# Altium PCB I2C_Jog_Controller.pcbdoc (part 5 of 6) (continued)
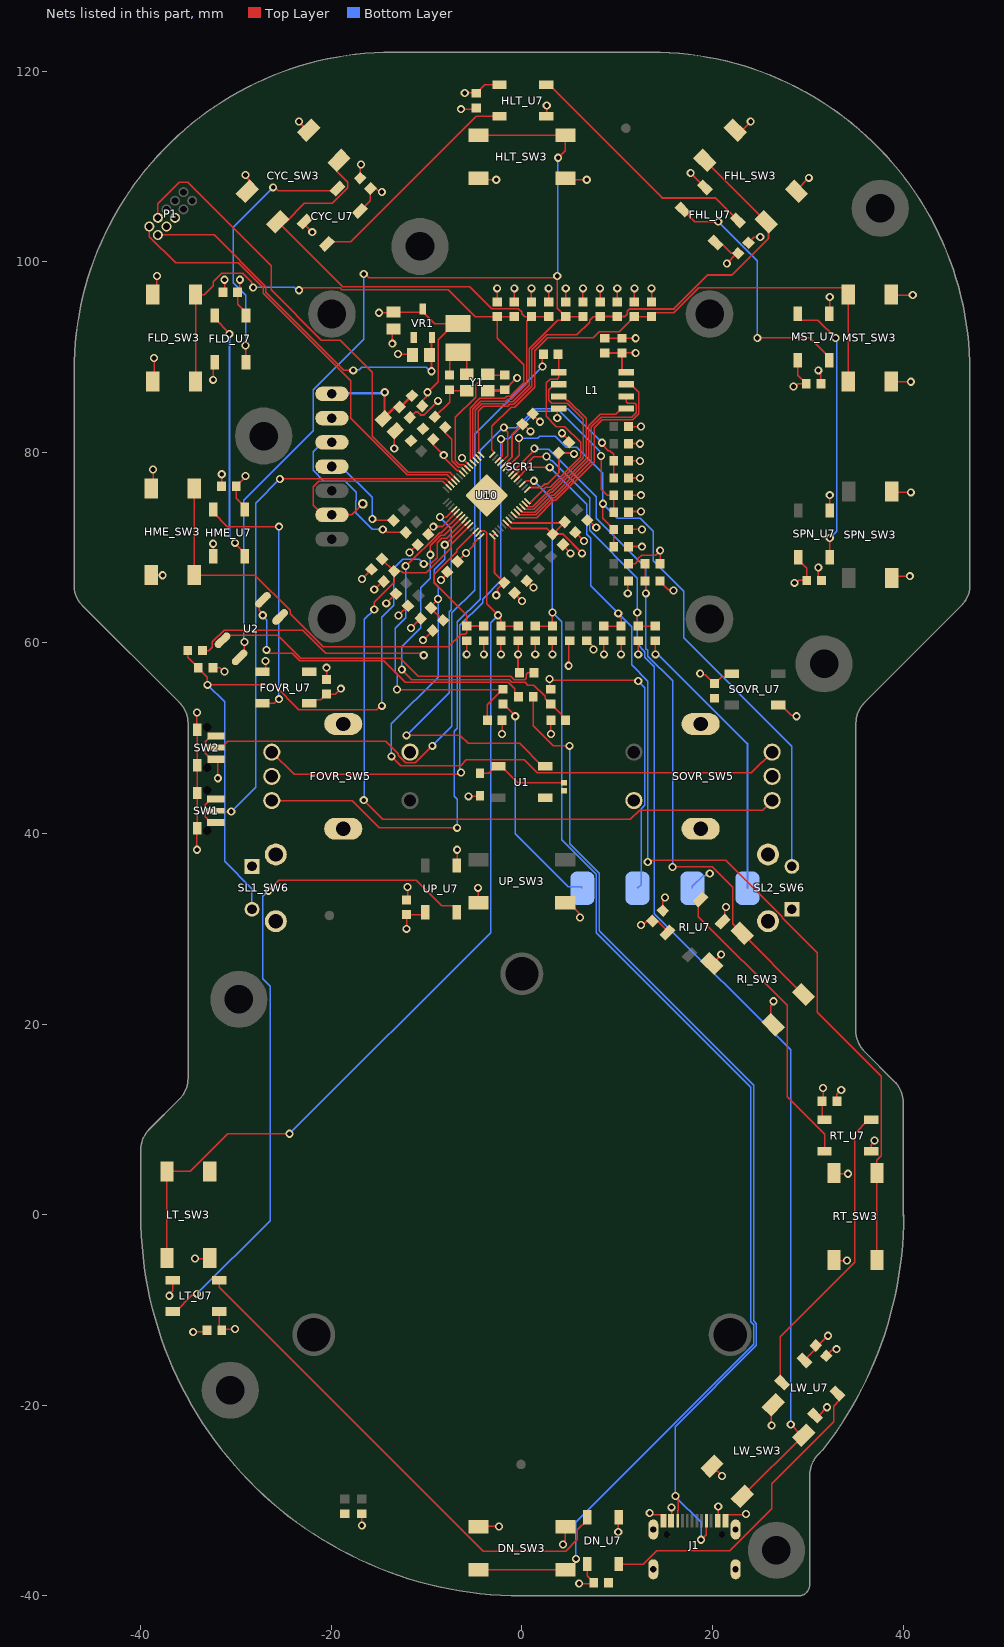
[diagram p7: the nets of this part, all layers, seen from the top]
## Nets (pads, with @x,y where several pads share a name; then routed paths per layer and width w, separated by ;. In a path a pad name is that pad's centre, name@x,y a point inside that pad or via, vN(x,y) a via of type N, cw(c..) or ccw(c..) an arc to the next point about the centre after c; other vN are vias at no path point) (continued)
  Bottom Layer w0.152: v1(-17.7,88.6) -17.65,88.65 -17.046,88.65 -16.792,88.904 -10.02,88.904 -9.616,88.5 v1(-9.5,88.5)
  Bottom Layer w0.203: v1(14,58.8) 14.124,58.676 14.409,58.676 23.659,49.427 TP3.1@23.659,34.258
  other v1: -5.862,69.438
+5V: C42.2 C43.1 CYC_C12.2 CYC_U7.1 D1.1 DN_C12.2 DN_U7.1 FHL_C12.2 FHL_U7.1 FLD_C12.2 FLD_U7.1 FOVR_C12.2 FOVR_U7.1 HLT_C12.2 HLT_U7.1 HME_C12.2 HME_U7.1 J1.A4B9 J1.B4A9 LT_C12.2 LT_U7.1 LW_C12.2 LW_U7.1 MST_C12.2 MST_U7.1 R15.1 RI_C12.2 RI_U7.1 RT_C12.2 RT_U7.1 SOVR_C12.2 SOVR_U7.1 SPN_C12.2 SPN_U7.1 UP_C12.2 UP_U7.1 VR1.3 | length 82.8
  Top Layer w0.152: LT_U7.1@-31.75,-10.151 -31.75,-11.851 LT_C12.2@-31.5,-12.101 -31.399,-12 v1(-30.1,-12) ; v1(-29.6,98.1) -29.6,97.03 FLD_C12.2@-29.83,96.8 -29.83,95.53 -28.95,94.65 FLD_U7.1@-28.95,94.35 ; HME_U7.1@-29.1,74 -29.1,74.3 -29.98,75.18 -29.98,76.475 -29,77.455 v1(-29,77.5) ; FOVR_U7.1@-22.316,53.671 -21.942,54.045 -21.11,54.045 -20.525,54.63 FOVR_C12.2@-20.5,54.63 -19.57,54.63 v2(-19,55.2) ; CYC_U7.1@-17,105.323 -15.907,106.416 -15.907,107.66 -15.872,107.695 -15.322,107.695 -15.06,107.433 -14.833,107.433 v1(-14.7,107.3) ; v1(-15,94.64) -13.57,94.64 C42.2@-13.5,94.71 -10.649,94.71 VR1.3@-10.4,94.959 ; v1(-12.1,30) -12.1,31.493 UP_C12.2@-12.107,31.5 -10.407,31.5 UP_U7.1@-10.157,31.75 ; R15.1@-10.456,84.856 -10.456,85.405 -10.033,85.827 -10.033,86.167 -8.796,87.404 -8.796,91.804 C43.1@-7.1,93.5 ; VR1.3@-10.4,95.013 VR1.3@-10.4,94.959 ; C43.1@-6.7,93.5 C43.1@-7.1,93.5 ; v1(-6,117.7) -4.83,117.7 HLT_C12.2@-4.8,117.67 -4.775,117.67 -3.895,118.55 HLT_U7.1@-2.35,118.55 ; v1(-5.6,43.9) -4.47,43.9 D1.1@-4.408,43.961 ; v1(6,-38.7) 7.43,-38.7 DN_C12.2@7.53,-38.6 7.53,-38.575 6.848,-37.893 DN_U7.1@6.848,-36.65 ; v1(12.5,30.4) 12.633,30.533 12.828,30.533 13.129,30.835 13.679,30.835 RI_C12.2@13.697,30.817 14.247,30.817 15.252,29.812 RI_U7.1@15.252,29.615 ; J1.A4B9@15.65,-32.105 15.7,-32.055 v1(15.7,-30.7) ; v1(18.7,56.8) 18.833,56.667 19.248,56.667 20.175,55.74 SOVR_C12.2@20.2,55.74 ; FHL_U7.1@20.323,102 20.852,102 21.944,100.907 22.414,100.907 22.511,100.811 v1(21.5,99.8) ; SOVR_C12.2@20.325,55.409 20.325,55.84 20.894,56.409 21.609,56.409 SOVR_U7.1@22.1,56.9 ; J1.B4A9@20.55,-32.105 20.6,-32.055 v1(20.6,-30.6) ; v1(28.5,86.9) 28.689,86.9 28.989,87.2 MST_C12.2@29.83,87.2 29.83,87.225 28.95,88.105 MST_U7.1@28.95,89.65 ; v1(28.6,66.3) 28.789,66.3 29.039,66.55 SPN_C12.2@29.88,66.55 29.88,67.82 29,68.7 SPN_U7.1@29,69 ; LW_U7.1@29.632,-15.269 30.834,-14.067 LW_C12.2@30.834,-13.714 31.086,-13.714 v1(32.1,-12.7) ; v1(31.6,13.3) 31.6,12.021 RT_C12.2@31.5,11.921 31.5,10.2 RT_U7.1@31.75,9.95 ; VR1.3@-10.4,94.959 -10.4,94.763 -9.137,93.5 C43.1@-7.1,93.5
  other v1: -9.9,86.3
A_FEEDOVER: FOVR_C8.1 FOVR_R6.2 FOVR_SW5.A U10.12 | length 80.6
  Top Layer w0.152: FOVR_SW5.A@-26.25,48.54 -23.91,46.2 -6.489,46.2 -6.4,46.289 v1(-6.4,46.4) ; U10.12@-2.537,79.171 -2.066,79.642 -2.066,81.077 -2.2,81.211 v1(-2.2,81.4) ; v1(8.3,79.6) 8.3,76.136 8.936,75.5 FOVR_C8.1@9.63,75.5 FOVR_R6.2@9.63,73.7
  Bottom Layer w0.152: v1@-6.504,46.796 -6.504,61.851 -4.12,64.236 -4.12,64.576 -2.2,66.496 v1(-2.2,81.4) -1.396,81.4 1.508,84.304 3.992,84.304 8.167,80.13 8.167,79.733 v1(8.3,79.6)
A_SPINOVER: SOVR_C8.1 SOVR_R6.2 SOVR_SW5.A U10.38 | length 82
  Top Layer w0.152: v1(-16.6,43.5) -14.596,41.496 11.382,41.496 12.346,42.46 25.25,42.46 SOVR_SW5.A@26.25,43.46 ; v1(-15.5,63.5) -15.5,64.275 -13.398,66.377 SOVR_R6.2@-13.398,67.513 ; SOVR_C8.1@-14.689,68.804 SOVR_R6.2@-13.416,67.531 SOVR_R6.2@-13.398,67.513 ; U10.38@-5.419,72.33 -7.396,70.353 -7.396,70.008 -10.038,67.366 -12.492,67.366 -12.639,67.513 SOVR_R6.2@-13.398,67.513
  Bottom Layer w0.152: v1(-16.6,43.5) -16.521,43.579 -16.521,62.479 v1(-15.5,63.5)
A_W1: R7.2 TP1.1 | length 23.6
  Top Layer w0.152: R7.2@-1.99,53.597 -1.965,53.597 -0.7,52.332 v1(-0.7,52.3)
  Bottom Layer w0.152: v1(-0.7,52.3) -0.7,39.963 4.863,34.4 6.199,34.4 TP1.1@6.341,34.258
A_WHEEL: C6.2 R7.1 U10.34 | length 36.4
  Top Layer w0.152: v1(-13.1,55.1) -2.027,55.1 R7.1@-1.99,55.137 ; v1(-12.2,68.07) -12.138,68.07 -8.645,71.563 -8.448,71.563 U10.34@-6.55,73.461 ; C6.2@-3.63,51.867 -3.63,53.522 R7.1@-2.053,55.1
  Bottom Layer w0.152: v1(-13.1,55.1) -13.1,56.704 -13.304,56.908 -13.304,61.537 -12.2,62.642 v1(-12.2,68.07)
B_FEEDOVER: FOVR_C9.2 FOVR_R9.2 FOVR_SW5.B U10.11 | length 86.1
  Top Layer w0.152: FOVR_SW5.B@-26.25,43.46 -17.827,43.46 -14.966,40.6 v1(-6.8,40.6) ; U10.11@-2.254,78.888 -1.496,79.647 -1.496,82.08 -1.9,82.484 v1(-1.9,82.6) ; v1(8.4,81) 8.4,80.852 9.07,80.181 9.219,80.181 9.63,79.77 FOVR_R9.2@9.63,77.3
  Bottom Layer w0.152: v1(-6.8,40.6) -6.8,43.588 -7.104,43.892 -7.104,50.705 -6.784,51.026 -6.784,62.212 -4.399,64.597 -4.399,80.197 -1.996,82.6 -0.591,82.6 1.393,84.584 4.816,84.584 v1(8.4,81)
B_SPINOVER: SOVR_C9.2 SOVR_R9.2 SOVR_SW5.B U10.37 | length 73.3
  Top Layer w0.152: v1(-13.7,48.1) -12.732,47.132 -6.446,47.132 -5.849,47.729 0.248,47.729 1.605,46.371 24.082,46.371 SOVR_SW5.B@26.25,48.54 ; v1(-8.8,64.6) -9.543,63.857 SOVR_C9.2@-9.543,63.658 SOVR_R9.2@-8.27,62.385 ; v1(-8.1,70.3) -8.048,70.3 -5.735,72.613 U10.37@-5.701,72.613
  Bottom Layer w0.152: v1(-13.7,48.1) -13.7,51.504 -8.8,56.404 -8.8,65.904 -9.204,66.308 -9.204,67.658 -8.1,68.762 v1(-8.1,70.3)
B_W1: R8.2 TP2.1 | length 32.8
  Top Layer w0.152: R8.2@3.01,55.138 2.9,55.248 v1(2.9,56.2) 3,56.1 12.1,56.1 v1(12.2,56)
  Bottom Layer w0.152: TP2.1@12.114,34.258 12.496,34.64 12.496,42.609 12.879,42.992 12.879,55.321 v1(12.2,56)
B_WHEEL: C7.2 R8.1 U10.35 | length 38.5
  Top Layer w0.152: v1(-12.6,57.2) -11.549,56.149 -1.328,56.149 -1.049,55.869 0.321,55.869 0.61,55.581 1.245,55.581 2.446,54.38 2.446,54.136 2.985,53.598 3.035,53.598 4.191,52.441 4.191,52.256 C7.2@4.58,51.868 ; v1(-9.613,69.253) -9.613,70.179 -8.507,71.284 -8.162,71.284 U10.35@-6.267,73.179
  Bottom Layer w0.152: v1(-12.6,57.2) -12.6,59.605 -10.604,61.601 -10.604,65.792 -9.596,66.801 -9.596,69.236 v1(-9.613,69.253)
BOOTSEL: R4.1 SW2.2 | length 70.7
  Top Layer w0.152: SW2.2@-32.1,49.025 -31.5,49.025 -30.856,49.669 -14.273,49.669 -12.996,48.392 -12.996,48.19 -12.217,47.412 -11.188,47.412 v1(-9.4,49.2) ; v1(2.154,89) 2.154,90.194 R4.1@2.26,90.3
  Bottom Layer w0.152: v1(-9.4,49.2) -7.343,51.257 -7.343,63.158 -4.958,65.542 -4.958,81.888 v1(2.154,89)
CYC/ST: CYC_C14.1 CYC_R14.2 CYC_SW3.3 CYC_SW3.4 U10.17 | length 64.5
  Top Layer w0.152: CYC_SW3.4@-19.192,110.626 -19.439,110.379 -19.439,109.497 -18.256,108.313 -18.256,107.774 -19.923,106.107 -22.829,106.107 -24.744,104.192 CYC_SW3.3@-25.626,104.192 -18.786,97.351 -5.459,97.351 -3.185,95.076 -0.368,95.076 -0.043,94.752 -0.043,94.555 0.281,94.23 CYC_C14.1@1,94.23 CYC_R14.2@2.8,94.23 ; U10.17@-4.853,79.171 -4.853,79.205 -5.163,79.515 -5.163,84.523 -4.314,85.372 -1.705,85.372 -1.49,85.587 -1.1,85.587 0.484,87.17 0.484,93.739 CYC_C14.1@0.975,94.23
CYC_LED_IN: CYC_U7.4 HLT_U7.2 | length 23.7
  Top Layer w0.152: CYC_U7.4@-20.464,101.858 -20.252,102.07 -17.964,102.07 -4.784,115.25 HLT_U7.2@-2.35,115.25
DN_LED_IN: DN_U7.4 LT_U7.2 | length 53.1
  Top Layer w0.152: LT_U7.2@-31.75,-6.851 -31.75,-7.625 -4.071,-35.304 4.592,-35.304 5.827,-34.069 5.827,-33.071 6.848,-32.05 DN_U7.4@6.848,-31.75
DOWN: DN_C14.1 DN_R14.2 DN_SW3.3 DN_SW3.4 U10.3 | length 146.1
  Top Layer w0.152: DN_SW3.3@-4.552,-37.25 4.898,-37.25 5.522,-36.626 5.522,-36.435 5.668,-36.289 v1(5.668,-36.1) ; U10.3@-0.084,76.5 0.433,77.016 v1(1.248,77.016) ; DN_C14.1@1.4,61.77 DN_R14.2@3.2,61.77 v1(3.2,63.2)
  Bottom Layer w0.152: v1(1.248,77.016) 3.2,75.064 v1(3.2,63.2) 4.196,62.204 4.196,39.361 7.82,35.736 7.82,29.58 24.021,13.379 24.021,-11.244 24.323,-11.546 24.323,-13.6 5.668,-32.254 v1(5.668,-36.1)
FEED/HOLD: FHL_C14.1 FHL_R14.2 FHL_SW3.3 FHL_SW3.4 U10.15 | length 56.2
  Top Layer w0.152: U10.15@-4.287,79.737 -4.526,79.976 -4.526,82.111 -4.604,82.19 -4.604,84.292 -4.083,84.813 -1.473,84.813 -1.258,85.028 -0.868,85.028 1.043,86.939 1.043,90.756 2.609,92.322 5.771,92.322 7.119,93.67 7.119,93.867 7.481,94.23 FHL_C14.1@8.2,94.23
  Top Layer w0.203: FHL_C14.1@8.2,94.23 FHL_R14.2@10,94.23 10.795,94.23 11.051,94.486 11.051,94.795 11.307,95.051 15.936,95.051 19.504,98.618 22.051,98.618 25.874,102.442 25.874,103.944 FHL_SW3.3@19.192,110.626
FHL_LED_IN: FHL_U7.4 MST_U7.2 | length 26.9
  Top Layer w0.152: FHL_U7.4@16.858,105.464 18.123,104.2 v1(20.6,104.2) ; v1(24.7,92) 30.2,92 32.25,89.95 MST_U7.2@32.25,89.65
  Bottom Layer w0.152: v1(20.6,104.2) 24.7,100.1 v1(24.7,92)
FLD_LED_IN: CYC_U7.2 FLD_U7.4 | length 27.7
  Top Layer w0.152: v1(-29,91.2) -29,89.5 FLD_U7.4@-28.95,89.45 ; v1(-26.1,107.8) -25.911,107.8 -25.556,107.444 -19.545,107.444 CYC_U7.2@-19.333,107.656
  Bottom Layer w0.152: v1(-29,91.2) -29,96.504 -30.304,97.808 -30.304,103.596 v1(-26.1,107.8)
FLOOD: FLD_C14.1 FLD_R14.2 FLD_SW3.3 FLD_SW3.4 U10.18 | length 66.8
  Top Layer w0.152: FLD_SW3.3@-34.25,87.45 FLD_SW3.4@-34.25,96.55 -33.321,96.55 -32.407,97.465 -32.407,97.89 -31.492,98.804 -29.308,98.804 -28.333,97.83 -28.333,97.433 v1(-28.2,97.3) ; v1(-23.4,97) -23.211,97 -22.973,97.239 -19.068,97.239 -18.901,97.072 -7.748,97.072 -4.907,94.23 FLD_C14.1@-2.6,94.23 ; U10.18@-5.136,78.888 -5.136,78.922 -5.443,79.229 -5.443,84.639 -4.43,85.651 -1.82,85.651 -1.605,85.866 -1.215,85.866 0.204,87.286 0.204,89.161 -2.6,91.966 FLD_C14.1@-2.6,94.23 ; FLD_R14.2@-0.8,94.23 FLD_C14.1@-2.6,94.23
  Bottom Layer w0.152: v1(-28.2,97.3) -23.889,97.3 -23.589,97 v1(-23.4,97)
FOVR_LED_IN: FOVR_U7.4 HME_U7.2 | length 27.8
  Top Layer w0.152: HME_U7.2@-32.4,74 -32.4,73.7 -30.9,72.2 v1(-25.5,72.2) ; FOVR_U7.4@-27.216,53.671 -25.995,53.671 -25.566,54.1 v1(-25.5,54.1)
  Bottom Layer w0.152: v1(-25.5,54.1) v1(-25.5,72.2)
FOVR_LED_OUT: FOVR_U7.2
GND: C1.1 C2.1 C3.1 C4.1 C6.1 C7.1 C17.2 C18.2 C19.1 C20.1 C21.1 C22.1 C23.1 C24.1 C25.1 C26.1 C27.1 C28.1 C29.1 C42.1 C43.2 C44.1 CYC_C12.1 CYC_C14.2 CYC_SW3.1 CYC_SW3.2 CYC_U7.3 DN_C12.1 DN_C14.2 DN_SW3.1 DN_SW3.2 DN_U7.3 FHL_C12.1 FHL_C14.2 FHL_SW3.1 FHL_SW3.2 FHL_U7.3 FLD_C12.1 FLD_C14.2 FLD_SW3.1 FLD_SW3.2 FLD_U7.3 FOVR_C8.2 FOVR_C9.1 FOVR_C10.1 FOVR_C12.1 FOVR_SW5.6 FOVR_SW5.7 FOVR_SW5.C FOVR_SW5.D FOVR_U7.3 HLT_C12.1 HLT_C14.2 HLT_SW3.1 HLT_SW3.2 HLT_U7.3 HME_C12.1 HME_C14.2 HME_SW3.1 HME_SW3.2 HME_U7.3 J1.A1B12 J1.B1A12 J1.S1 J1.S2 J1.S3 J1.S4 L1.4 LT_C12.1 LT_C14.2 LT_SW3.1 LT_SW3.2 LT_U7.3 LW_C12.1 LW_C14.2 LW_SW3.1 LW_SW3.2 LW_U7.3 MST_C12.1 MST_C14.2 MST_SW3.1 MST_SW3.2 MST_U7.3 P1.3 P1.5 R17.2 R18.2 RI_C12.1 RI_C14.2 RI_SW3.1 RI_SW3.2 RI_U7.3 RT_C12.1 RT_C14.2 RT_SW3.1 RT_SW3.2 RT_U7.3 SCR1.2 SL1_C14.2 SL1_SW6.1 SL1_SW6.3 SL1_SW6.4 SL2_C14.2 SL2_SW6.1 SL2_SW6.3 SL2_SW6.4 SOVR_C8.2 SOVR_C9.1 SOVR_C10.1 SOVR_C12.1 SOVR_SW5.6 SOVR_SW5.7 SOVR_SW5.C SOVR_SW5.D SOVR_U7.3 SPN_C12.1 SPN_C14.2 SPN_SW3.1 SPN_SW3.2 SPN_U7.3 SW1.1 SW1.3 SW1.MP1 SW1.MP2 SW2.1 SW2.3 SW2.MP1 SW2.MP2 TP4.1 U1.3 U2.3 U10.19 U10.57 UP_C12.1 UP_C14.2 UP_SW3.1 UP_SW3.2 UP_U7.3 VR1.1 Y1.2 Y1.4 | length 193.2
  Top Layer w0.152: HME_SW3.1@-38.9,67.1 v2(-37.7,67.1) ; HME_SW3.2@-38.9,76.2 -38.7,76.4 v1(-38.7,78.2) ; FLD_SW3.1@-38.75,87.45 -38.6,87.6 v1(-38.6,89.9) ; FLD_SW3.2@-38.75,96.55 -38.3,97 v1(-38.3,98.5) ; v1(-37,-8.5) -37,-8.311 -36.65,-7.961 LT_U7.3@-36.65,-6.851 ; v1(-34.5,-12.3) -33.239,-12.3 LT_C12.1@-33.04,-12.101 ; v1(-34.3,-4.6) -32.799,-4.6 LT_SW3.2@-32.75,-4.551 ; v2(-34.1,38.3) -34.1,40.525 SW1.MP2@-34.075,40.55 SW1.MP1@-34.075,44.25 -34.075,50.85 SW2.MP1@-34.05,50.875 -34.1,50.925 v1(-34.1,52.7) ; SL1_C14.2@-32.43,57.4 -31.724,57.4 -31.324,57 v1(-31.2,57) ; HME_U7.3@-32.4,69.1 v1(-32.4,70.4) ; v1(-32.4,87.6) -32.4,89.3 FLD_U7.3@-32.25,89.45 ; SW1.3@-32.125,41.175 -32.65,41.175 -33.254,41.779 -33.254,43.021 -32.65,43.625 SW1.1@-32.125,43.625 ; SW2.1@-32.1,50.25 -32.625,50.25 -33.229,49.646 -33.229,48.404 -32.625,47.8 SW2.3@-32.1,47.8 -31.909,47.609 v2(-31.909,45.8) ; HME_C12.1@-31.52,76.45 -31.5,76.47 v1(-31.5,77.7) ; FLD_C12.1@-31.37,96.8 -31.2,96.97 v1(-31.2,98.1) ; v1(-29,109.1) -29,108.942 -28.561,108.503 -28.561,107.621 CYC_SW3.1@-28.808,107.374 ; FOVR_U7.3@-27.216,56.971 -26.9,57.287 v1(-26.9,58.1) ; v1(-23.4,114.7) -22.508,113.808 CYC_SW3.2@-22.374,113.808 ; CYC_U7.3@-22.798,104.192 -22.798,103.898 v1(-22,103.1) ; FOVR_C12.1@-20.5,56.17 v1(-20.5,57.4) ; CYC_C12.1@-16.978,108.767 -16.961,108.784 -16.961,110.139 v1(-16.9,110.2) ; R18.2@-16.805,-31.371 -16.8,-31.376 v1(-16.8,-32.6) ; v1(-16.789,66.704) SOVR_C8.2@-15.778,67.715 ; v1(-14.234,64.149) SOVR_C10.1@-13.223,65.16 ; v1(-13.6,91.4) -13.6,92.83 C42.1@-13.5,92.93 ; v1(-13.4,80.4) -13.38,80.42 -13.38,82.161 C4.1@-13.271,82.271 ; v1(-13,90.3) -11.59,90.3 C44.1@-11.49,90.2 ; UP_C12.1@-12.107,33.04 -12,33.147 v1(-12,34.4) ; v1(-11.8,69.5) -11.003,70.297 C28.1@-10.927,70.297 ; v1(-11.643,61.558) SOVR_C9.1@-10.632,62.569 ; v1(-8.5,66.6) -7.844,67.256 C29.1@-7.844,67.456 ; C18.2@-7.6,88.1 -7.6,89.676 -6.776,90.5 -6.624,90.5 -5.8,89.676 Y1.2@-5.8,88.18 ; UP_U7.3@-6.857,36.65 -6.8,36.707 v1(-6.8,38.3) ; v1(-6.4,116) -4.93,116 HLT_C12.1@-4.8,116.13 ; v1(-6.3,79.4) -6.247,79.4 -5.452,78.606 U10.19@-5.419,78.606 ; v1(-5.8,58.8) HME_C14.2@-5.8,60.23 ; v1(-4.6,34.3) -4.6,32.793 UP_SW3.2@-4.557,32.75 ; DN_SW3.1@-4.552,-32.75 -4.502,-32.7 v1(-2.4,-32.7) ; HLT_SW3.2@-4.55,108.75 -4.4,108.6 v1(-2.7,108.6) ; FLD_C14.2@-2.6,95.77 v1(-2.6,97.2) ; v1(-2.2,58.8) LT_C14.2@-2.2,60.23 ; v1(-2.09,50.437) C6.1@-2.09,51.867 ; C17.2@-1.8,86.56 -3.52,86.56 -3.659,86.421 -1.914,86.421 -0.535,87.8 v1(-0.5,87.8) ; C27.1@-0.777,65.235 -0.777,65.177 v1(0,64.4) ; C21.1@0.496,66.508 0.496,66.504 v1(1.2,65.8) ; CYC_C14.2@1,95.77 v1(1,97.2) ; C23.1@1.144,84.044 1.144,83.956 v1(1.9,83.2) ; v1(1.4,58.8) DN_C14.2@1.4,60.23 ; HLT_U7.3@2.55,115.25 2.6,115.3 v1(2.6,116.4) ; v1(3.04,50.438) C7.1@3.04,51.868 ; v1(3.7,83.6) 3.7,84.445 L1.4@3.85,84.595 ; v1(4.2,82) 4.944,81.256 C22.1@4.944,81.044 ; v1(4.3,-34.6) 4.3,-34.411 4.548,-34.163 DN_SW3.2@4.548,-32.75 ; C26.1@4.314,70.326 4.314,70.186 v1(5.1,69.4) ; UP_SW3.1@4.543,32.75 4.893,32.75 5.967,31.677 5.967,31.333 v1(6.1,31.2) ; HLT_SW3.1@4.55,108.75 4.7,108.6 v1(6.8,108.6) ; HLT_C14.2@4.6,95.77 v1(4.6,97.2) ; v1(4.9,57.6) 4.9,60.13 UP_C14.2@5,60.23 ; C25.1@5.587,71.599 5.601,71.599 v1(6.5,70.7) ; C20.1@6.86,72.872 7.028,72.872 v1(7.8,72.1) ; FHL_C14.2@8.2,95.77 v1(8.2,97.2) ; v1(8.6,58.8) RT_C14.2@8.6,60.23 ; C1.1@8.7,91.97 C3.1@10.5,91.97 v1(11.93,91.97) ; v1(10.1,-33.3) 10.1,-31.798 DN_U7.3@10.148,-31.75 ; SPN_C14.2@11.17,68.3 11.864,68.3 12.215,68.651 12.215,68.863 12.567,69.215 14.015,69.215 v1(14.5,69.7) 14.5,68.33 RI_C14.2@14.47,68.3 ; SL2_C14.2@11.17,71.9 v1(12.6,71.9) ; FOVR_C8.2@11.17,75.5 v1(12.5,75.5) ; FOVR_C9.1@11.17,79.1 v1(12.4,79.1) ; FOVR_C10.1@11.17,82.7 v1(12.5,82.7) ; MST_C14.2@11.8,95.77 v1(11.8,97.2) ; v1(12.2,58.8) LW_C14.2@12.2,60.23 ; v1(13.4,-31.3) 13.589,-31.3 13.745,-31.456 14.626,-31.456 14.85,-31.68 J1.A1B12@14.85,-32.105 ; RI_C12.1@14.786,31.906 14.768,31.924 14.768,32.879 15,33.111 v1(15,33.3) ; v1(17.7,109.3) 19.192,107.808 FHL_U7.3@19.192,107.798 ; RI_SW3.2@19.919,26.363 19.963,26.363 v1(20.9,27.3) ; LW_SW3.1@19.945,-26.371 19.971,-26.371 v1(21,-27.4) ; RI_U7.3@21.051,30.747 21.263,30.959 21.263,31.974 21.4,32.111 v1(21.4,32.3) ; J1.B1A12@21.35,-32.105 21.35,-31.68 21.574,-31.456 23.444,-31.456 v1(23.5,-31.4) ; FHL_SW3.1@22.374,113.808 23.108,113.808 v1(24,114.7) ; FHL_C12.1@23.767,101.978 24.346,102.558 24.958,102.558 v1(25,102.6) ; v1(26.2,-22.1) 26.132,-22.032 26.132,-20.184 LW_SW3.2@26.379,-19.936 ; RI_SW3.1@26.354,19.928 26.106,20.175 26.106,21.918 26.4,22.211 v1(26.4,22.4) ; SOVR_U7.3@26.899,53.483 27.199,53.483 28.248,52.433 28.667,52.433 v1(28.8,52.3) ; FHL_SW3.2@28.808,107.374 28.808,107.508 v1(30.1,108.8) ; LW_U7.3@30.763,-21.068 31.132,-21.068 v1(32,-20.2) ; v1(31.1,67.9) 31.1,66.87 SPN_C12.1@31.42,66.55 ; v1(31.1,88.6) 31.1,88.411 31.37,88.141 MST_C12.1@31.37,87.2 ; LW_C12.1@31.923,-14.803 32.492,-14.233 32.867,-14.233 v1(33,-14.1) ; MST_U7.3@32.25,94.55 32.3,94.6 v1(32.3,96.3) ; SPN_U7.3@32.3,73.9 v1(32.3,75.5) ; RT_SW3.1@32.75,-4.729 32.82,-4.8 v1(34.1,-4.8) ; RT_SW3.2@32.75,4.371 32.82,4.3 v1(34.2,4.3) ; RT_C12.1@33.04,11.921 33.04,12.64 v1(33.5,13.1) ; RT_U7.3@36.65,6.65 36.65,7.329 37,7.679 v1(37,7.8) ; MST_SW3.2@38.75,87.45 38.8,87.4 v1(40.8,87.4) ; MST_SW3.1@38.75,96.55 38.8,96.5 v1(41,96.5) ; SPN_SW3.2@38.8,66.8 39,67 v1(40.7,67) ; SPN_SW3.1@38.8,75.9 38.9,75.8 v1(40.8,75.8)
  Bottom Layer w0.152: TP4.1@17.886,34.258 17.886,34.461 19.018,35.593 19.304,35.593 19.511,35.8 v1(19.7,35.8)
  other v1: -3.695,75.468
HALT: HLT_C14.1 HLT_R14.2 HLT_SW3.3 HLT_SW3.4 U2.2 U10.16 | length 117.2
  Top Layer w0.152: U2.2@-29.17,58.85 -29.15,58.871 -29.15,60.05 v1(-29.1,60.1) ; v1(-16.6,98.7) -16.434,98.7 -16.055,98.321 3.332,98.321 3.511,98.5 v1(3.7,98.5) 3.7,95.105 4.575,94.23 HLT_C14.1@4.6,94.23 ; U10.16@-4.57,79.454 -4.57,79.488 -4.884,79.802 -4.884,84.407 -4.199,85.093 -1.589,85.093 -1.374,85.308 -0.984,85.308 0.763,87.055 0.763,90.872 3.733,93.841 4.211,93.841 HLT_C14.1@4.6,94.23 ; HLT_SW3.4@-4.55,113.25 HLT_SW3.3@4.55,113.25 4.55,111.65 v1(3.8,110.9) ; HLT_R14.2@6.4,94.23 HLT_C14.1@4.6,94.23
  Bottom Layer w0.152: v1(-29.1,60.1) -29.2,60.2 -29.2,74.962 -21.918,82.245 -21.918,86.538 -16.6,91.856 v1(-16.6,98.7) ; v1(3.7,98.5) 3.75,98.55 3.75,110.85 v1(3.8,110.9)
HALT_OUT: J1.A8 J1.B8 R16.1 | length 108.8
  Top Layer w0.152: R16.1@1.18,54.367 1.18,51.301 3.281,49.2 v1(5,49.2) ; v1(16.1,-29.5) 16.1,-29.689 16.404,-29.993 16.404,-30.992 16.35,-31.046 J1.B8@16.35,-32.105 ; v1(18.8,-34.1) 19.35,-33.55 J1.A8@19.35,-32.105
  Bottom Layer w0.152: v1(5,49.2) 5,38.951 8.099,35.852 8.099,29.801 24.3,13.6 24.3,-11.129 24.602,-11.431 24.602,-13.715 16.1,-22.217 16.1,-29.582 18.8,-32.282 v1(18.8,-34.1)
HLT_LED_IN: FHL_U7.2 HLT_U7.4 | length 26
  Top Layer w0.203: HLT_U7.4@2.55,118.55 2.85,118.55 14.705,106.695 20.294,106.695 FHL_U7.2@22.656,104.333
HME_LED_IN: FLD_U7.2 HME_U7.4 | length 26.6
  Top Layer w0.203: FLD_U7.2@-32.25,94.35 -32.25,94.05 -30.7,92.5 v1(-30.7,92.4) ; v1(-30.1,70.5) -30.1,70.4 -29.1,69.4 HME_U7.4@-29.1,69.1
  Bottom Layer w0.203: v1(-30.7,92.4) -30.7,71.18 -30.1,70.58 v1(-30.1,70.5)
HOME: HME_C14.1 HME_R14.2 HME_SW3.3 HME_SW3.4 U10.40 | length 57.4
  Top Layer w0.152: HME_SW3.4@-34.4,76.2 HME_SW3.3@-34.4,67.1 -28.02,67.1 -24.328,63.408 -24.328,63.036 -22.655,61.363 -20.873,59.581 -7.727,59.581 -6.385,60.924 -5.953,60.924 -5.8,61.076 HME_C14.1@-5.8,61.77 -5.8,62.904 -9.204,66.308 -9.204,67.2 -6.837,69.568 -6.837,69.78 U10.40@-4.853,71.764
  Top Layer w0.203: HME_C14.1@-5.8,61.77 HME_R14.2@-4,61.77
JOG/SEL: SL1_C14.1 SL1_R14.2 SL1_SW6.2 U10.36 | length 75.7
  Top Layer w0.152: SL1_R14.2@-35.07,59.2 -35.07,58.5 -34.384,57.814 -34.359,57.814 -33.97,57.425 SL1_C14.1@-33.97,57.4 -33.97,57.375 -33,56.405 v2(-33,55.6) -26.004,55.6 -23.396,52.992 -15.216,52.992 -14.809,53.4 v1(-14.7,53.4) ; v1(-10.3,68.3) -9.569,68.3 -8.908,68.961 -8.908,70.488 -8.392,71.004 -7.876,71.004 U10.36@-5.984,72.896
  Bottom Layer w0.152: v2(-33,55.6) -31.204,53.804 -31.204,37.106 -28.325,34.227 SL1_SW6.2@-28.325,31.6 ; v1(-14.7,53.4) -14.7,62.687 -13.429,63.958 -13.429,67.837 -12.492,68.775 -10.775,68.775 v1(-10.3,68.3)
JOG/SEL2: SL2_C14.1 SL2_R14.2 SL2_SW6.2 U10.9 | length 70.1
  Top Layer w0.152: U10.9@-1.689,78.323 -0.3,79.711 v1(-0.3,81.5) ; v1(8.5,74.6) 8.5,73.055 9.63,71.925 SL2_C14.1@9.63,71.9 SL2_R14.2@9.63,70.1
  Bottom Layer w0.152: v1(-0.3,81.5) -0.296,81.496 1.656,81.496 1.865,81.704 3.499,81.704 4.664,80.54 5.752,80.54 8.5,77.792 v1(8.5,74.6) 10.016,73.084 12.413,73.084 13.796,71.701 13.796,68.601 16.956,65.44 16.956,60.532 28.325,49.163 SL2_SW6.2@28.325,36.55
LED_CONTROL: U1.4 U10.32 | length 43.1
  Top Layer w0.152: v1(-12.1,50.3) -6.506,50.3 -5.659,49.454 -0.254,49.454 2.15,47.05 U1.4@2.45,47.05 ; v1(-8.6,73.2) -7.943,73.2 U10.32@-7.116,74.027
  Bottom Layer w0.152: v1(-12.1,50.3) -7.622,54.778 -7.622,63.274 -7.396,63.5 -7.396,71.996 v1(-8.6,73.2)
LEFT: LT_C14.1 LT_R14.2 LT_SW3.3 LT_SW3.4 U10.41 | length 100.4
  Top Layer w0.152: LT_SW3.4@-37.25,-4.551 LT_SW3.3@-37.25,4.549 -34.823,4.549 -30.872,8.5 v1(-24.4,8.5) ; U10.41@-4.57,71.481 -4.536,71.481 -4.231,71.787 -3.933,71.787 -3.691,71.544 -3.691,64.091 v1(-2.5,62.9) -2.5,62.764 -2.2,62.464 LT_C14.1@-2.2,61.77 LT_R14.2@-0.4,61.77
  Bottom Layer w0.152: v1(-24.4,8.5) -3.296,29.604 -3.296,62.104 v1(-2.5,62.9)
LOWER: LW_C14.1 LW_R14.2 LW_SW3.3 LW_SW3.4 U10.6 | length 130.8
  Top Layer w0.152: U10.6@-0.84,77.474 1.239,79.553 v1(2.583,79.553) ; v1(12.1,63.2) 12.1,61.87 LW_C14.1@12.2,61.77 LW_R14.2@14,61.77 ; LW_SW3.3@23.127,-29.553 LW_SW3.4@29.561,-23.118 29.318,-23.118 v1(28.2,-22)
  Bottom Layer w0.152: v1(2.583,79.553) 2.661,79.553 3.084,79.13 3.205,79.13 7.096,75.239 7.096,71.808 12.1,66.804 12.1,59.896 12.904,59.092 12.904,58.504 13.904,57.504 13.904,31.599 28.2,17.304 v1(28.2,-22)
LT_LED_IN: LT_U7.4 UP_U7.2 | length 71.1
  Top Layer w0.152: LT_U7.4@-36.65,-10.151 -36.35,-10.151 -34.633,-8.433 -34.233,-8.433 v1(-34.1,-8.3) ; v1(-26.6,34) -25.496,35.104 -11.101,35.104 -8.421,32.424 -7.23,32.424 -6.857,32.05 UP_U7.2@-6.857,31.75
  Bottom Layer w0.152: v1(-34.1,-8.3) -26.421,-0.621 -26.421,23.958 -27.204,24.741 -27.204,33.396 v1(-26.6,34)
LW_LED_IN: DN_U7.2 LW_U7.4 | length 33.6
  Top Layer w0.152: DN_U7.2@10.148,-36.65 12.739,-36.65 14.136,-35.254 21.777,-35.254 26.2,-30.831 26.2,-28.217 32.704,-21.712 32.704,-20.079 33.309,-19.475 33.309,-18.946 LW_U7.4@33.097,-18.734
MIST: MST_C14.1 MST_R14.2 MST_SW3.3 MST_SW3.4 U10.14 | length 58.3
  Top Layer w0.152: U10.14@-3.103,79.737 -2.899,79.94 -2.899,79.974 -3.184,80.258 -3.184,82.707 -1.143,84.749 -0.752,84.749 1.322,86.823 1.322,90.64 2.725,92.043 7.495,92.043 8.115,92.664 10.208,92.664 11.775,94.23 MST_R14.2@13.6,94.23 13.989,94.619 15.935,94.619 18.555,97.239 33.626,97.239 34.25,96.615 MST_SW3.4@34.25,87.45
MST_LED_IN: MST_U7.4 SPN_U7.2 | length 28.5
  Top Layer w0.152: MST_U7.4@28.95,94.55 28.95,94.25 29.324,93.876 31.024,93.876 v1(32.9,92) ; SPN_U7.2@32.3,69 v1(32.3,71)
  Bottom Layer w0.152: v1(32.3,71) 33.004,71.704 33.004,91.896 v1(32.9,92)
NetC2_2: C2.2 D1.2 U1.1 | length 9.8
  Top Layer w0.203: D1.2@-4.408,46.321 -3.479,46.321 -2.75,47.05 -2.15,47.05 -0.425,45.325 C2.2@4.4,45.325
NetC4_2: C4.2 R13.1 R15.2 SCR1.1 | length 12.3
  Top Layer w0.254: C4.2@-14.529,83.529 C4.2@-14.42,83.639 ; v1(-14.4,86.3) -14.42,86.28 C4.2@-14.42,83.639 ; R15.2@-11.544,85.944 -12.744,84.744 -13.314,84.744 C4.2@-14.42,83.639
  Bottom Layer w0.254: SCR1.1@-19.939,86.128 -19.853,86.214 -14.486,86.214 v1(-14.4,86.3)
NetC18_1: C18.1 R10.1 Y1.3 | length 5.3
  Top Layer w0.152: R10.1@-9.139,83.712 -7.6,85.252 C18.1@-7.6,86.56 -7.52,86.48 Y1.3@-5.8,86.48
NetR1_1: R1.1 SCR1.3 | length 18.1
  Top Layer w0.152: v1(-14.6,71.9) -14.411,71.9 -14.12,71.609 -12.197,71.609 R1.1@-12.179,71.591
  Bottom Layer w0.152: SCR1.3@-19.939,81.048 -20.927,81.048 -21.918,80.057 -21.918,78.098 -20.779,76.959 -18.541,76.959 -17.4,75.818 -17.4,74.942 -17.437,74.905 -17.437,73.637 -15.7,71.9 v1(-14.6,71.9)
NetR2_1: R2.1 SCR1.4 | length 10.1
  Top Layer w0.152: v1(-15.7,73) -15.511,73 -15.371,72.86 -13.491,72.86 R2.1@-13.473,72.843
  Bottom Layer w0.152: SCR1.4@-19.939,78.508 -18.951,78.508 -15.7,75.257 v1(-15.7,73)
NetR12_1: R12.1 U2.1 | length 35.4
  Top Layer w0.152: U2.1@-31.419,60.277 -30.892,60.804 -25.607,60.804 -23.186,58.384 -12.788,58.384 -10.904,56.5 -1.171,56.5 -0.82,56.149 0.3,56.149 0.443,56.292 0.443,56.724 0.586,56.867 R12.1@1.28,56.867
NetR16_2: R16.2 U2.4 | length 34.7
  Top Layer w0.152: v2(-27.2,62.9) -27.2,63.069 -27.578,63.447 -27.578,64.118 U2.4@-27.177,64.519 ; v1(-26.794,59.27) -26.795,59.269 -26.795,58.9 -24.098,58.9 -23.302,58.104 -14.501,58.104 -12.266,55.869 -1.444,55.869 -0.749,55.175 -0.749,54.756 R16.2@-0.36,54.367
  Bottom Layer w0.152: v2(-27.2,62.9) -27.2,62.788 -26.794,62.382 v1(-26.794,59.27)
PICO_RUN: SW1.2 U10.26 | length 56.9
  Top Layer w0.152: SW1.2@-32.125,42.4 -32.025,42.3 v1(-30.5,42.3) ; v1(-25.4,77.2) -25.362,77.238 -8.011,77.238 U10.26@-7.398,76.626
  Bottom Layer w0.152: v1(-30.5,42.3) -27.95,44.85 -27.95,74.65 v1(-25.4,77.2)
PICO_SWCLK: P1.4 U10.24 | length 52.1
  Top Layer w0.152: P1.4@-38.198,104.598 -38.198,106.059 -35.932,108.325 -35.076,108.325 -26.316,99.566 -26.316,97.029 -21.069,91.781 -19.085,91.781 -15.688,88.384 -15.688,81.692 -11.91,77.914 -7.555,77.914 U10.24@-6.833,77.191
PICO_SWDIO: P1.2 U10.25 | length 46.3
  Top Layer w0.152: P1.2@-39.096,103.7 -39.096,102.634 -36.332,99.87 -29.774,99.87 -27.155,97.251 -27.155,96.681 -17.96,87.487 -17.96,83.569 -12.026,77.634 -7.841,77.634 U10.25@-7.116,76.908
QSPI_SCLK: L1.6 U10.52 | length 21.8
  Top Layer w0.152: U10.52@-0.557,73.744 -0.524,73.744 -0.218,73.439 1.45,73.439 3.246,75.235 3.436,75.235 7.282,79.081 7.282,82.673 8.307,83.698 11.501,83.698 11.979,84.175 11.979,85.015 11.83,85.163 11.098,85.163 10.95,85.311 L1.6@10.95,85.865
QSPI_SD0: L1.5 U10.53 | length 18
  Top Layer w0.152: U10.53@-0.274,74.027 -0.241,74.027 0.064,73.722 1.338,73.722 3.131,75.515 3.321,75.515 7.003,79.197 7.003,82.789 8.191,83.977 9.857,83.977 10.475,84.595 L1.5@10.95,84.595
QSPI_SD1: L1.2 U10.55 | length 19.3
  Top Layer w0.152: U10.55@0.291,74.593 0.325,74.593 0.63,74.288 1.113,74.288 2.899,76.073 3.089,76.073 6.444,79.428 6.444,83.449 4.745,85.149 3.118,85.149 2.821,85.445 2.821,86.581 3.375,87.135 L1.2@3.85,87.135
QSPI_SD2: L1.3 U10.54 | length 17.1
  Top Layer w0.152: U10.54@0.008,74.31 0.042,74.31 0.347,74.005 1.226,74.005 3.015,75.794 3.205,75.794 6.723,79.312 6.723,83.565 4.86,85.428 4.762,85.428 4.325,85.865 L1.3@3.85,85.865
QSPI_SD3: L1.7 U10.51 | length 23.7
  Top Layer w0.152: U10.51@-0.84,73.461 -0.806,73.461 -0.501,73.156 1.562,73.156 3.362,74.956 3.552,74.956 7.561,78.965 7.561,82.558 8.422,83.419 11.617,83.419 12.258,84.06 12.258,86.302 11.425,87.135 L1.7@10.95,87.135
QSPI_SS: L1.1 R4.2 U10.56 | length 21.5
  Top Layer w0.152: U10.56@0.574,74.876 0.777,74.672 0.811,74.672 2.492,76.353 2.973,76.353 6.164,79.544 6.164,81.032 4.492,82.704 3.599,82.704 2.542,83.762 2.542,87.275 2.955,87.689 3.687,87.689 3.85,87.851 3.85,90.25 R4.2@3.8,90.3
RAISE: RI_C14.1 RI_R14.2 RI_SW3.3 RI_SW3.4 U10.7 | length 79.1
  Top Layer w0.152: U10.7@-1.123,77.757 -1.123,77.791 1.3,80.214 v1(1.3,80.4) ; RI_C14.1@12.93,68.3 RI_R14.2@12.93,66.5 13,66.43 v1(13,65.2) ; v1(15.8,36.5) 15.804,36.504 19.992,36.504 22.128,34.368 22.128,30.518 RI_SW3.4@23.101,29.545 RI_SW3.3@29.536,23.11
  Bottom Layer w0.152: v1(1.3,80.4) 1.404,80.296 2.837,80.296 7.796,75.337 7.796,73.101 13,67.896 13,59.391 13.184,59.207 13.184,58.62 15.8,56.004 v1(15.8,36.5)
RI_LED_IN: RI_U7.4 RT_U7.2 | length 32
  Top Layer w0.152: RI_U7.4@18.717,33.08 18.505,32.868 18.505,31.291 27.82,21.976 27.82,12.357 31.75,8.427 RT_U7.2@31.75,6.65
RIGHT: RT_C14.1 RT_R14.2 RT_SW3.3 RT_SW3.4 U10.5 | length 110.1
  Top Layer w0.152: U10.5@-0.557,77.191 0.677,78.425 v1(2.913,78.425) ; RT_C14.1@8.6,61.77 RT_R14.2@10.4,61.77 10.4,62.611 10.1,62.911 v1(10.1,63.1) ; v1(13.2,37) 13.389,37 13.593,37.204 21.37,37.204 27.321,31.253 27.321,31.18 31.002,27.5 31.002,21.239 37.704,14.537 37.704,6.181 37.25,5.726 RT_SW3.3@37.25,-4.729
  Bottom Layer w0.152: v1(2.913,78.425) 6.816,74.523 6.816,71.38 7.204,70.992 7.204,65.996 11.496,61.704 11.496,57.701 13.2,55.996 v1(13.2,37)
RP_XIN: C17.1 U10.20 Y1.1 | length 14
  Top Layer w0.152: U10.20@-5.701,78.323 -5.735,78.323 -6.108,78.696 -6.592,78.696 -7.004,79.108 -7.004,83.652 -4.871,85.785 -4.871,87.009 -3.7,88.18 Y1.1@-3.6,88.18 -3.52,88.1 C17.1@-1.8,88.1
RP_XOUT: R10.2 U10.21 | length 5.7
  Top Layer w0.152: R10.2@-8.051,82.623 -8.068,82.606 -8.068,82.056 -7.388,81.375 -7.388,79.097 -6.707,78.416 -6.394,78.416 -6.018,78.04 U10.21@-5.984,78.04
RT_LED_IN: LW_U7.2 RT_U7.4 | length 31.8
  Top Layer w0.152: LW_U7.2@27.299,-17.603 27.086,-17.391 27.086,-12.81 34.904,-4.992 34.904,8.504 36.35,9.95 RT_U7.4@36.65,9.95
SCR_DC: SCR1.6 TP5.1 U10.27 | length 22.8
  Top Layer w0.152: TP5.1@-16.7,74.6 -17.872,73.428 SCR1.6@-19.939,73.428 -20.927,73.428 -21.918,74.419 -21.918,76.378 -21.337,76.959 -8.297,76.959 U10.27@-7.681,76.343